# KiCad board Led_clock_sector.kicad_pcb (continued)
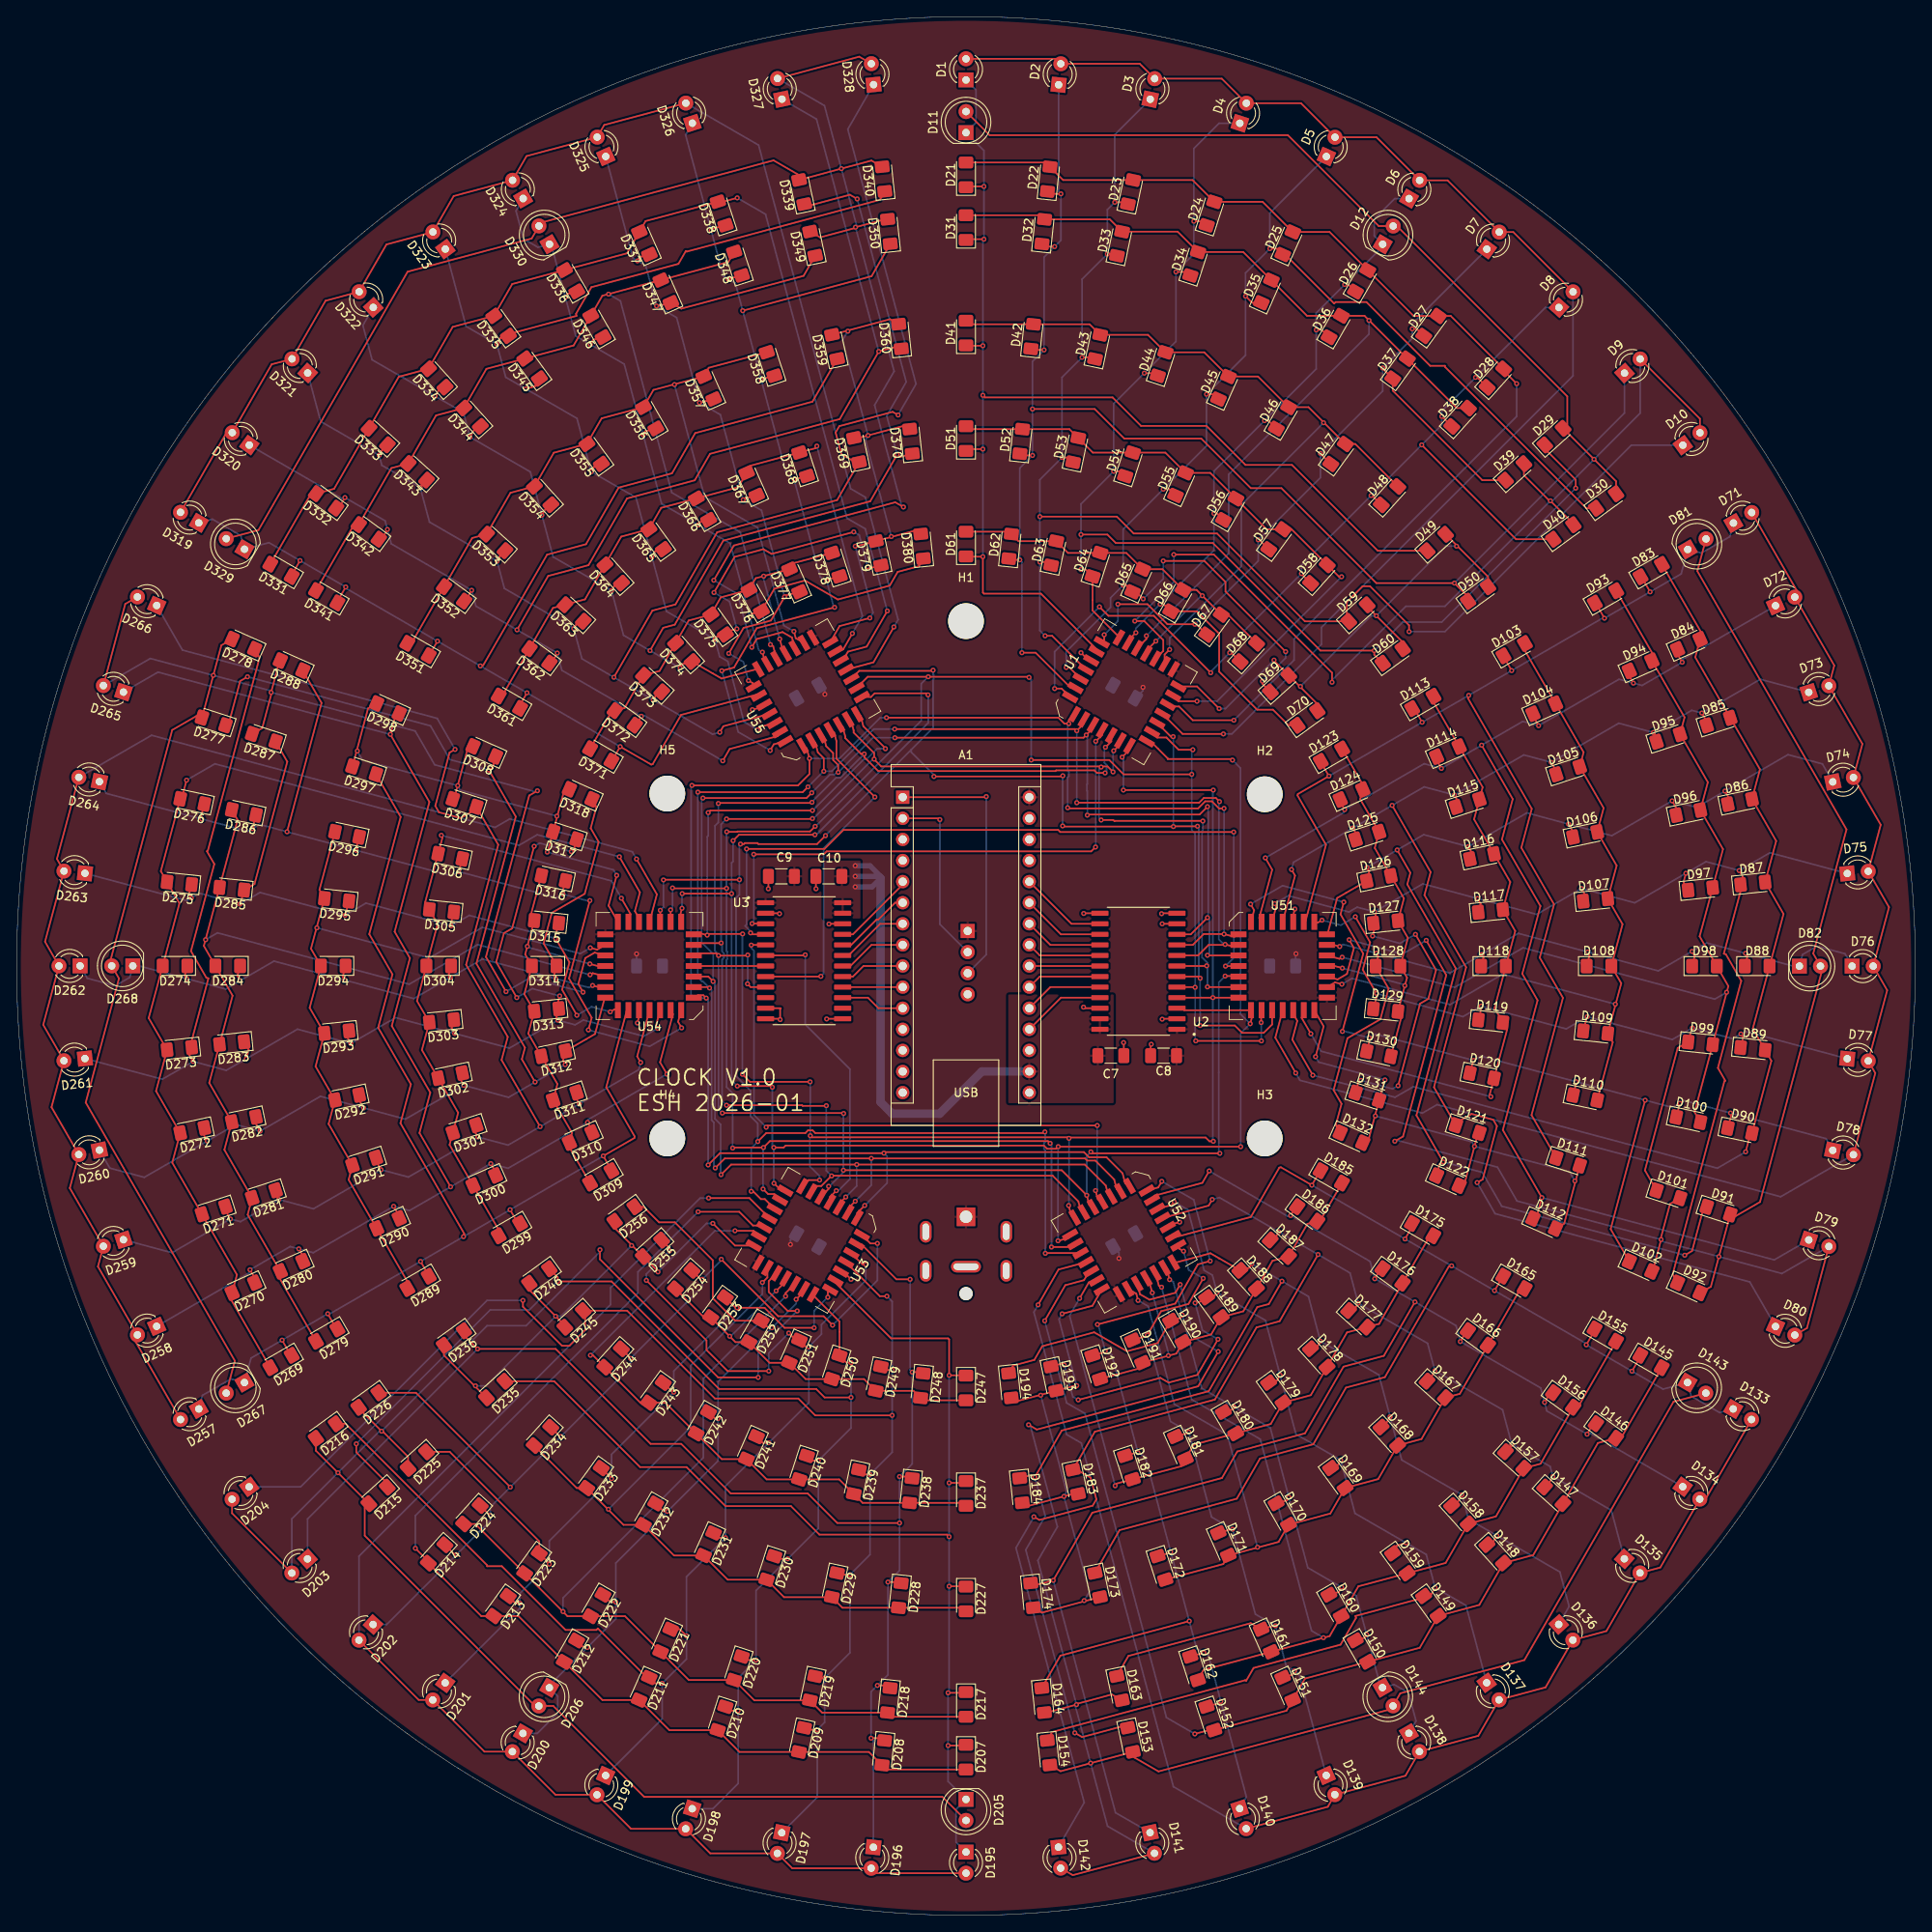
[diagram p0: board, top side]
## Placement (name value [footprint] x y rotation side) (continued)
D242  LED  [LED_1206_3216Metric_Pad1.42x1.75mm_HandSolder]  82.55 59.31 240 top
D243  LED  [LED_1206_3216Metric_Pad1.42x1.75mm_HandSolder]  76.98 62.93 234 top
D244  LED  [LED_1206_3216Metric_Pad1.42x1.75mm_HandSolder]  71.81 67.11 228 top
D245  LED  [LED_1206_3216Metric_Pad1.42x1.75mm_HandSolder]  67.11 71.81 222 top
D246  LED  [LED_1206_3216Metric_Pad1.42x1.75mm_HandSolder]  62.93 76.98 216 top
D247  LED  [LED_1206_3216Metric_Pad1.42x1.75mm_HandSolder]  114.3 63.5 270 top
D248  LED  [LED_1206_3216Metric_Pad1.42x1.75mm_HandSolder]  108.99 63.78 264 top
D249  LED  [LED_1206_3216Metric_Pad1.42x1.75mm_HandSolder]  103.74 64.61 258 top
D250  LED  [LED_1206_3216Metric_Pad1.42x1.75mm_HandSolder]  98.6 65.99 252 top
D251  LED  [LED_1206_3216Metric_Pad1.42x1.75mm_HandSolder]  93.64 67.89 246 top
D252  LED  [LED_1206_3216Metric_Pad1.42x1.75mm_HandSolder]  88.9 70.31 240 top
D253  LED  [LED_1206_3216Metric_Pad1.42x1.75mm_HandSolder]  84.44 73.2 234 top
D254  LED  [LED_1206_3216Metric_Pad1.42x1.75mm_HandSolder]  80.31 76.55 228 top
D255  LED  [LED_1206_3216Metric_Pad1.42x1.75mm_HandSolder]  76.55 80.31 222 top
D256  LED  [LED_1206_3216Metric_Pad1.42x1.75mm_HandSolder]  73.2 84.44 216 top
D257  LED  [LED_D3.0mm]  21.93 60.97 210 top
D258  LED  [LED_D3.0mm]  16.86 70.92 204 top
D259  LED  [LED_D3.0mm]  12.86 81.35 198 top
D260  LED  [LED_D3.0mm]  9.97 92.13 192 top
D261  LED  [LED_D3.0mm]  8.23 103.16 186 top
D262  LED  [LED_D3.0mm]  7.64 114.31 180 top
D263  LED  [LED_D3.0mm]  8.23 125.46 174 top
D264  LED  [LED_D3.0mm]  9.97 136.49 168 top
D265  LED  [LED_D3.0mm]  12.86 147.28 162 top
D266  LED  [LED_D3.0mm]  16.86 157.7 156 top
D267  LED  [LED_D5.0mm]  27.43 64.15 210 top
D268  LED  [LED_D5.0mm]  13.99 114.31 180 top
D269  LED  [LED_1206_3216Metric_Pad1.42x1.75mm_HandSolder]  31.83 66.69 210 top
D270  LED  [LED_1206_3216Metric_Pad1.42x1.75mm_HandSolder]  27.31 75.57 204 top
D271  LED  [LED_1206_3216Metric_Pad1.42x1.75mm_HandSolder]  23.73 84.88 198 top
D272  LED  [LED_1206_3216Metric_Pad1.42x1.75mm_HandSolder]  21.15 94.51 192 top
D273  LED  [LED_1206_3216Metric_Pad1.42x1.75mm_HandSolder]  19.59 104.36 186 top
D274  LED  [LED_1206_3216Metric_Pad1.42x1.75mm_HandSolder]  19.07 114.31 180 top
D275  LED  [LED_1206_3216Metric_Pad1.42x1.75mm_HandSolder]  19.59 124.27 174 top
D276  LED  [LED_1206_3216Metric_Pad1.42x1.75mm_HandSolder]  21.15 134.12 168 top
D277  LED  [LED_1206_3216Metric_Pad1.42x1.75mm_HandSolder]  23.73 143.75 162 top
D278  LED  [LED_1206_3216Metric_Pad1.42x1.75mm_HandSolder]  27.31 153.05 156 top
D279  LED  [LED_1206_3216Metric_Pad1.42x1.75mm_HandSolder]  37.33 69.86 210 top
D280  LED  [LED_1206_3216Metric_Pad1.42x1.75mm_HandSolder]  33.11 78.15 204 top
D281  LED  [LED_1206_3216Metric_Pad1.42x1.75mm_HandSolder]  29.77 86.84 198 top
D282  LED  [LED_1206_3216Metric_Pad1.42x1.75mm_HandSolder]  27.36 95.83 192 top
D283  LED  [LED_1206_3216Metric_Pad1.42x1.75mm_HandSolder]  25.91 105.02 186 top
D284  LED  [LED_1206_3216Metric_Pad1.42x1.75mm_HandSolder]  25.42 114.31 180 top
D285  LED  [LED_1206_3216Metric_Pad1.42x1.75mm_HandSolder]  25.91 123.6 174 top
D286  LED  [LED_1206_3216Metric_Pad1.42x1.75mm_HandSolder]  27.36 132.8 168 top
D287  LED  [LED_1206_3216Metric_Pad1.42x1.75mm_HandSolder]  29.77 141.78 162 top
D288  LED  [LED_1206_3216Metric_Pad1.42x1.75mm_HandSolder]  33.11 150.47 156 top
D289  LED  [LED_1206_3216Metric_Pad1.42x1.75mm_HandSolder]  48.33 76.21 210 top
D290  LED  [LED_1206_3216Metric_Pad1.42x1.75mm_HandSolder]  44.71 83.32 204 top
D291  LED  [LED_1206_3216Metric_Pad1.42x1.75mm_HandSolder]  41.85 90.77 198 top
D292  LED  [LED_1206_3216Metric_Pad1.42x1.75mm_HandSolder]  39.79 98.47 192 top
D293  LED  [LED_1206_3216Metric_Pad1.42x1.75mm_HandSolder]  38.54 106.35 186 top
D294  LED  [LED_1206_3216Metric_Pad1.42x1.75mm_HandSolder]  38.12 114.31 180 top
D295  LED  [LED_1206_3216Metric_Pad1.42x1.75mm_HandSolder]  38.54 122.28 174 top
D296  LED  [LED_1206_3216Metric_Pad1.42x1.75mm_HandSolder]  39.79 130.16 168 top
D297  LED  [LED_1206_3216Metric_Pad1.42x1.75mm_HandSolder]  41.85 137.86 162 top
D298  LED  [LED_1206_3216Metric_Pad1.42x1.75mm_HandSolder]  44.71 145.31 156 top
D299  LED  [LED_1206_3216Metric_Pad1.42x1.75mm_HandSolder]  59.33 82.56 210 top
D300  LED  [LED_1206_3216Metric_Pad1.42x1.75mm_HandSolder]  56.31 88.48 204 top
D301  LED  [LED_1206_3216Metric_Pad1.42x1.75mm_HandSolder]  53.93 94.69 198 top
D302  LED  [LED_1206_3216Metric_Pad1.42x1.75mm_HandSolder]  52.21 101.11 192 top
D303  LED  [LED_1206_3216Metric_Pad1.42x1.75mm_HandSolder]  51.17 107.67 186 top
D304  LED  [LED_1206_3216Metric_Pad1.42x1.75mm_HandSolder]  50.82 114.31 180 top
D305  LED  [LED_1206_3216Metric_Pad1.42x1.75mm_HandSolder]  51.17 120.95 174 top
D306  LED  [LED_1206_3216Metric_Pad1.42x1.75mm_HandSolder]  52.21 127.51 168 top
D307  LED  [LED_1206_3216Metric_Pad1.42x1.75mm_HandSolder]  53.93 133.93 162 top
D308  LED  [LED_1206_3216Metric_Pad1.42x1.75mm_HandSolder]  56.31 140.14 156 top
D309  LED  [LED_1206_3216Metric_Pad1.42x1.75mm_HandSolder]  70.33 88.91 210 top
D310  LED  [LED_1206_3216Metric_Pad1.42x1.75mm_HandSolder]  67.91 93.65 204 top
D311  LED  [LED_1206_3216Metric_Pad1.42x1.75mm_HandSolder]  66.01 98.61 198 top
D312  LED  [LED_1206_3216Metric_Pad1.42x1.75mm_HandSolder]  64.63 103.75 192 top
D313  LED  [LED_1206_3216Metric_Pad1.42x1.75mm_HandSolder]  63.8 109 186 top
D314  LED  [LED_1206_3216Metric_Pad1.42x1.75mm_HandSolder]  63.52 114.31 180 top
D315  LED  [LED_1206_3216Metric_Pad1.42x1.75mm_HandSolder]  63.8 119.62 174 top
D316  LED  [LED_1206_3216Metric_Pad1.42x1.75mm_HandSolder]  64.63 124.87 168 top
D317  LED  [LED_1206_3216Metric_Pad1.42x1.75mm_HandSolder]  66.01 130.01 162 top
D318  LED  [LED_1206_3216Metric_Pad1.42x1.75mm_HandSolder]  67.91 134.97 156 top
D319  LED  [LED_D3.0mm]  21.93 167.65 150 top
D320  LED  [LED_D3.0mm]  28.02 177.02 144 top
D321  LED  [LED_D3.0mm]  35.04 185.7 138 top
D322  LED  [LED_D3.0mm]  42.94 193.59 132 top
D323  LED  [LED_D3.0mm]  51.62 200.62 126 top
D324  LED  [LED_D3.0mm]  60.98 206.7 120 top
D325  LED  [LED_D3.0mm]  70.93 211.77 114 top
D326  LED  [LED_D3.0mm]  81.36 215.77 108 top
D327  LED  [LED_D3.0mm]  92.14 218.66 102 top
D328  LED  [LED_D3.0mm]  103.17 220.41 96 top
D329  LED  [LED_D5.0mm]  27.43 164.48 150 top
D330  LED  [LED_D5.0mm]  64.16 201.2 120 top
D331  LED  [LED_1206_3216Metric_Pad1.42x1.75mm_HandSolder]  31.83 161.94 150 top
D332  LED  [LED_1206_3216Metric_Pad1.42x1.75mm_HandSolder]  37.26 170.3 144 top
D333  LED  [LED_1206_3216Metric_Pad1.42x1.75mm_HandSolder]  43.54 178.05 138 top
D334  LED  [LED_1206_3216Metric_Pad1.42x1.75mm_HandSolder]  50.59 185.1 132 top
D335  LED  [LED_1206_3216Metric_Pad1.42x1.75mm_HandSolder]  58.33 191.37 126 top
D336  LED  [LED_1206_3216Metric_Pad1.42x1.75mm_HandSolder]  66.7 196.8 120 top
D337  LED  [LED_1206_3216Metric_Pad1.42x1.75mm_HandSolder]  75.58 201.33 114 top
D338  LED  [LED_1206_3216Metric_Pad1.42x1.75mm_HandSolder]  84.89 204.9 108 top
D339  LED  [LED_1206_3216Metric_Pad1.42x1.75mm_HandSolder]  94.52 207.48 102 top
D340  LED  [LED_1206_3216Metric_Pad1.42x1.75mm_HandSolder]  104.36 209.04 96 top
D341  LED  [LED_1206_3216Metric_Pad1.42x1.75mm_HandSolder]  37.33 158.76 150 top
D342  LED  [LED_1206_3216Metric_Pad1.42x1.75mm_HandSolder]  42.4 166.57 144 top
D343  LED  [LED_1206_3216Metric_Pad1.42x1.75mm_HandSolder]  48.26 173.8 138 top
D344  LED  [LED_1206_3216Metric_Pad1.42x1.75mm_HandSolder]  54.84 180.38 132 top
D345  LED  [LED_1206_3216Metric_Pad1.42x1.75mm_HandSolder]  62.07 186.23 126 top
D346  LED  [LED_1206_3216Metric_Pad1.42x1.75mm_HandSolder]  69.87 191.3 120 top
D347  LED  [LED_1206_3216Metric_Pad1.42x1.75mm_HandSolder]  78.16 195.53 114 top
D348  LED  [LED_1206_3216Metric_Pad1.42x1.75mm_HandSolder]  86.85 198.86 108 top
D349  LED  [LED_1206_3216Metric_Pad1.42x1.75mm_HandSolder]  95.84 201.27 102 top
D350  LED  [LED_1206_3216Metric_Pad1.42x1.75mm_HandSolder]  105.03 202.73 96 top
D351  LED  [LED_1206_3216Metric_Pad1.42x1.75mm_HandSolder]  48.33 152.41 150 top
D352  LED  [LED_1206_3216Metric_Pad1.42x1.75mm_HandSolder]  52.67 159.1 144 top
D353  LED  [LED_1206_3216Metric_Pad1.42x1.75mm_HandSolder]  57.69 165.3 138 top
D354  LED  [LED_1206_3216Metric_Pad1.42x1.75mm_HandSolder]  63.33 170.94 132 top
D355  LED  [LED_1206_3216Metric_Pad1.42x1.75mm_HandSolder]  69.53 175.96 126 top
D356  LED  [LED_1206_3216Metric_Pad1.42x1.75mm_HandSolder]  76.22 180.3 120 top
D357  LED  [LED_1206_3216Metric_Pad1.42x1.75mm_HandSolder]  83.33 183.92 114 top
D358  LED  [LED_1206_3216Metric_Pad1.42x1.75mm_HandSolder]  90.77 186.78 108 top
D359  LED  [LED_1206_3216Metric_Pad1.42x1.75mm_HandSolder]  98.48 188.85 102 top
D360  LED  [LED_1206_3216Metric_Pad1.42x1.75mm_HandSolder]  106.36 190.09 96 top
D361  LED  [LED_1206_3216Metric_Pad1.42x1.75mm_HandSolder]  59.33 146.06 150 top
D362  LED  [LED_1206_3216Metric_Pad1.42x1.75mm_HandSolder]  62.95 151.64 144 top
D363  LED  [LED_1206_3216Metric_Pad1.42x1.75mm_HandSolder]  67.13 156.8 138 top
D364  LED  [LED_1206_3216Metric_Pad1.42x1.75mm_HandSolder]  71.83 161.5 132 top
D365  LED  [LED_1206_3216Metric_Pad1.42x1.75mm_HandSolder]  77 165.68 126 top
D366  LED  [LED_1206_3216Metric_Pad1.42x1.75mm_HandSolder]  82.57 169.3 120 top
D367  LED  [LED_1206_3216Metric_Pad1.42x1.75mm_HandSolder]  88.49 172.32 114 top
D368  LED  [LED_1206_3216Metric_Pad1.42x1.75mm_HandSolder]  94.7 174.7 108 top
D369  LED  [LED_1206_3216Metric_Pad1.42x1.75mm_HandSolder]  101.12 176.42 102 top
D370  LED  [LED_1206_3216Metric_Pad1.42x1.75mm_HandSolder]  107.68 177.46 96 top
D371  LED  [LED_1206_3216Metric_Pad1.42x1.75mm_HandSolder]  70.33 139.71 150 top
D372  LED  [LED_1206_3216Metric_Pad1.42x1.75mm_HandSolder]  73.22 144.17 144 top
D373  LED  [LED_1206_3216Metric_Pad1.42x1.75mm_HandSolder]  76.57 148.3 138 top
D374  LED  [LED_1206_3216Metric_Pad1.42x1.75mm_HandSolder]  80.33 152.06 132 top
D375  LED  [LED_1206_3216Metric_Pad1.42x1.75mm_HandSolder]  84.46 155.41 126 top
D376  LED  [LED_1206_3216Metric_Pad1.42x1.75mm_HandSolder]  88.92 158.31 120 top
D377  LED  [LED_1206_3216Metric_Pad1.42x1.75mm_HandSolder]  93.66 160.72 114 top
D378  LED  [LED_1206_3216Metric_Pad1.42x1.75mm_HandSolder]  98.62 162.63 108 top
D379  LED  [LED_1206_3216Metric_Pad1.42x1.75mm_HandSolder]  103.76 164 102 top
D380  LED  [LED_1206_3216Metric_Pad1.42x1.75mm_HandSolder]  109.01 164.83 96 top
H1  MountingHole  [MountingHole_4.3mm_M4]  114.3 155.82 0 top
H2  MountingHole  [MountingHole_4.3mm_M4]  150.27 134.98 0 top
H3  MountingHole  [MountingHole_4.3mm_M4]  150.26 93.54 0 top
H4  MountingHole  [MountingHole_4.3mm_M4]  78.34 93.54 0 top
H5  MountingHole  [MountingHole_4.3mm_M4]  78.34 135.06 0 top
J1  Conn_01x04  [PinHeader_1x04_P2.54mm_Vertical]  114.5 118.52 180 bottom
J2  PJ-082BH  [SAMESKY_PJ-082BH]  114.3 74.86 180 bottom
U1  ICM7218A  [PLCC-28]  133.35 147.32 60 top
U2  SN74LVC4245ADWR  [SOIC127P1030X265-24N]  135.06 113.67 180 top
U3  SN74LVC4245ADWR  [SOIC127P1030X265-24N]  94.81 114.94 0 top
U51  ICM7218A  [PLCC-28]  152.43 114.3 0 top
U52  ICM7218A  [PLCC-28]  133.35 81.31 300 top
U53  ICM7218A  [PLCC-28]  95.25 81.28 240 top
U54  ICM7218A  [PLCC-28]  76.2 114.3 180 top
U55  ICM7218A  [PLCC-28]  95.25 147.32 120 top

## Library data of the parts
A1 = -: Datasheet: https://docs.arduino.cc/resources/datasheets/ABX00083-datasheet.pdf; Description: Arduino Nano board based on the ESP32-S3 with a dual-core 240 MHz processor, 384 kB ROM, 512 kB SRAM. Operates at 3.3V, with 5V USB-C® input and 6-21V VIN. Features Wi-Fi®, Bluetooth® LE, digital and analog pins, and supports SPI, I2C, UART, I2S, and CAN.; ki_fp_filters: Arduino*Nano*
C1-C10 = -: Description: Unpolarized capacitor; ki_fp_filters: C_*
D1-D12 D21-D380 = -: Description: Light emitting diode; Sim.Pins: 1=K 2=A; ki_fp_filters: LED* LED_SMD:* LED_THT:*
H1-H5 = -: Description: Mounting Hole without connection; ki_fp_filters: MountingHole*
J1 = -: Description: Generic connector, single row, 01x04, script generated (kicad-library-utils/schlib/autogen/connector/); ki_fp_filters: Connector*:*_1x??_*
J2 = -: PARTREV: 1.06; STANDARD: Manufacturer Recommendations; MAXIMUM_PACKAGE_HEIGHT: 10.5mm; MANUFACTURER: Same Sky
U1 U51-U55 = -: Datasheet: https://datasheets.maximintegrated.com/en/ds/ICM7218-ICM7228.pdf; DigiKey: ICM7218AIQI+-ND

## Footprints (pads in the part's own frame, mm; a bottom-side part is the same pattern mirrored in y, then rotated)
Arduino_Nano
  rect 1.6x1.6 hole 1: 1(0,0)
  oval 1.6x1.6 hole 1: 2(0,-2.54) 3(0,-5.08) 4(0,-7.62) 5(0,-10.16) 6(0,-12.7) 7(0,-15.24) 8(0,-17.78) 9(0,-20.32) 10(0,-22.86) 11(0,-25.4) 12(0,-27.94) 13(0,-30.48) 14(0,-33.02) 15(0,-35.56) 16(15.24,-35.56) 17(15.24,-33.02) 18(15.24,-30.48) 19(15.24,-27.94) 20(15.24,-25.4) 21(15.24,-22.86) 22(15.24,-20.32) 23(15.24,-17.78) 24(15.24,-15.24) 25(15.24,-12.7) 26(15.24,-10.16) 27(15.24,-7.62) 28(15.24,-5.08) 29(15.24,-2.54) 30(15.24,0)
C_1206_3216Metric_Pad1.33x1.80mm_HandSolder
  rrect 1.325x1.8 smd: 1(-1.562,0) 2(1.562,0)
LED_1206_3216Metric_Pad1.42x1.75mm_HandSolder
  rrect 1.425x1.75 smd: 1(-1.488,0) 2(1.488,0)
LED_D3.0mm
  rect 1.8x1.8 hole 0.9: 1(0,0)
  round 1.8 hole 0.9: 2(2.54,0)
LED_D5.0mm
  rect 1.8x1.8 hole 0.9: 1(0,0)
  round 1.8 hole 0.9: 2(2.54,0)
MountingHole_4.3mm_M4
  round 4.3 hole 4.3 unplated: (0,0)
PinHeader_1x04_P2.54mm_Vertical
  rect 1.7x1.7 hole 1: 1(0,0)
  round 1.7 hole 1: 2(0,-2.54) 3(0,-5.08) 4(0,-7.62)
PLCC-28
  rect 0.7x1.925 smd: 1(0,5.322) 2(-1.27,5.322) 3(-2.54,5.322) 4(-3.81,5.322) 12(-3.81,-5.322) 13(-2.54,-5.322) 14(-1.27,-5.322) 15(0,-5.322) 16(1.27,-5.322) 17(2.54,-5.322) 18(3.81,-5.322) 26(3.81,5.322) 27(2.54,5.322) 28(1.27,5.322)
  rect 1.925x0.7 smd: 5(-5.322,3.81) 6(-5.322,2.54) 7(-5.322,1.27) 8(-5.322,0) 9(-5.322,-1.27) 10(-5.322,-2.54) 11(-5.322,-3.81) 19(5.322,-3.81) 20(5.322,-2.54) 21(5.322,-1.27) 22(5.322,0) 23(5.322,1.27) 24(5.322,2.54) 25(5.322,3.81)
SAMESKY_PJ-082BH
  round 1.6 hole 1.6 unplated: (0,0)
  rect 2.25x2.25 hole 1.5: 1(0,9.25)
  oval 3.6x1.4 hole 3x0.8: 2(0,3.25)
  oval 1.4x2.6 hole 0.8x2: SH1(-4.85,2.75) SH2(4.85,2.75) SH3(-4.85,7.45) SH4(4.85,7.45)
SOIC127P1030X265-24N
  rrect 2.06x0.6 smd: 1(-4.64,6.985) 2(-4.64,5.715) 3(-4.64,4.445) 4(-4.64,3.175) 5(-4.64,1.905) 6(-4.64,0.635) 7(-4.64,-0.635) 8(-4.64,-1.905) 9(-4.64,-3.175) 10(-4.64,-4.445) 11(-4.64,-5.715) 12(-4.64,-6.985) 13(4.64,-6.985) 14(4.64,-5.715) 15(4.64,-4.445) 16(4.64,-3.175) 17(4.64,-1.905) 18(4.64,-0.635) 19(4.64,0.635) 20(4.64,1.905) 21(4.64,3.175) 22(4.64,4.445) 23(4.64,5.715) 24(4.64,6.985)

## Nets
+3.3V: A1.17 C7.1 C10.1 U2.23 U2.24 U3.23 U3.24
+5V: A1.30 C1.1 C2.1 C3.1 C4.1 C5.1 C6.1 C8.1 C9.1 J1.1 J2.1 U1.19 U2.1 U3.1 U51.19 U52.19 U53.19 U54.19 U55.19
GND: A1.4 A1.29 C1.2 C2.2 C3.2 C4.2 C5.2 C6.2 C7.2 C8.2 C9.2 C10.2 J1.4 J2.2 J2.SH1 J2.SH2 J2.SH3 J2.SH4 U1.28 U2.2 U2.11 U2.12 U2.13 U2.22 U3.2 U3.11 U3.12 U3.13 U3.22 U51.28 U52.28 U53.28 U54.28 U55.28
/D0: U1.12 U2.3 U51.12 U52.12 U53.12 U54.12 U55.12
/D1: U1.11 U2.4 U51.11 U52.11 U53.11 U54.11 U55.11
/D2: U1.13 U2.5 U51.13 U52.13 U53.13 U54.13 U55.13
/D3: U1.14 U2.6 U51.14 U52.14 U53.14 U54.14 U55.14
/D4: U1.10 U2.7 U51.10 U52.10 U53.10 U54.10 U55.10
/D5: U1.6 U2.8 U51.6 U52.6 U53.6 U54.6 U55.6
/D6: U1.5 U2.9 U51.5 U52.5 U53.5 U54.5 U55.5
/D7: U1.7 U2.10 U51.7 U52.7 U53.7 U54.7 U55.7
/ED0: A1.19 U2.21
/ED1: A1.20 U2.20
/ED2: A1.21 U2.19
/ED3: A1.22 U2.18
/ED4: A1.23 U2.17
/ED5: A1.24 U2.16
/ED6: A1.25 U2.15
/ED7: A1.26 U2.14
/EMODE: A1.11 U3.15
/MODE: U1.9 U3.9 U51.9 U52.9 U53.9 U54.9 U55.9
/Sector1/dp: D8.1 D28.1 D38.1 D40.1 D48.1 D58.1 D68.1 U1.4
/Sector1/LD1: D1.2 D2.2 D3.2 D4.2 D5.2 D6.2 D7.2 D8.2 U1.15
/Sector1/LD2: D21.2 D22.2 D23.2 D24.2 D25.2 D26.2 D27.2 D28.2 U1.16
/Sector1/LD3: D31.2 D32.2 D33.2 D34.2 D35.2 D36.2 D37.2 D38.2 U1.23
/Sector1/LD4: D41.2 D42.2 D43.2 D44.2 D45.2 D46.2 D47.2 D48.2 U1.20
/Sector1/LD5: D51.2 D52.2 D53.2 D54.2 D55.2 D56.2 D57.2 D58.2 U1.17
/Sector1/LD6: D61.2 D62.2 D63.2 D64.2 D65.2 D66.2 D67.2 D68.2 U1.22
/Sector1/LD7: D9.2 D10.2 D11.2 D12.2 D29.2 D30.2 D39.2 D40.2 U1.21
/Sector1/LD8: D49.2 D50.2 D59.2 D60.2 D69.2 D70.2 U1.18
/Sector1/Sa: D1.1 D11.1 D21.1 D31.1 D41.1 D49.1 D51.1 D61.1 U1.27
/Sector1/Sb: D2.1 D9.1 D22.1 D32.1 D42.1 D50.1 D52.1 D62.1 U1.3
/Sector1/Sc: D3.1 D10.1 D23.1 D33.1 D43.1 D53.1 D59.1 D63.1 U1.1
/Sector1/Sd: D4.1 D24.1 D29.1 D34.1 D44.1 D54.1 D60.1 D64.1 U1.25
/Sector1/Se: D5.1 D25.1 D30.1 D35.1 D45.1 D55.1 D65.1 D69.1 U1.2
/Sector1/Sf: D6.1 D12.1 D26.1 D36.1 D46.1 D56.1 D66.1 D70.1 U1.24
/Sector1/Sg: D7.1 D27.1 D37.1 D39.1 D47.1 D57.1 D67.1 U1.26
/Sector2/dp: D78.1 D90.1 D100.1 D102.1 D110.1 D120.1 D130.1 U51.4
/Sector2/LD1: D71.2 D72.2 D73.2 D74.2 D75.2 D76.2 D77.2 D78.2 U51.15
/Sector2/LD2: D83.2 D84.2 D85.2 D86.2 D87.2 D88.2 D89.2 D90.2 U51.16
/Sector2/LD3: D93.2 D94.2 D95.2 D96.2 D97.2 D98.2 D99.2 D100.2 U51.23
/Sector2/LD4: D103.2 D104.2 D105.2 D106.2 D107.2 D108.2 D109.2 D110.2 U51.20
/Sector2/LD5: D113.2 D114.2 D115.2 D116.2 D117.2 D118.2 D119.2 D120.2 U51.17
/Sector2/LD6: D123.2 D124.2 D125.2 D126.2 D127.2 D128.2 D129.2 D130.2 U51.22
/Sector2/LD7: D79.2 D80.2 D81.2 D82.2 D91.2 D92.2 D101.2 D102.2 U51.21
/Sector2/LD8: D111.2 D112.2 D121.2 D122.2 D131.2 D132.2 U51.18
/Sector2/Sa: D71.1 D81.1 D83.1 D93.1 D103.1 D111.1 D113.1 D123.1 U51.27
/Sector2/Sb: D72.1 D79.1 D84.1 D94.1 D104.1 D112.1 D114.1 D124.1 U51.3
/Sector2/Sc: D73.1 D80.1 D85.1 D95.1 D105.1 D115.1 D121.1 D125.1 U51.1
/Sector2/Sd: D74.1 D86.1 D91.1 D96.1 D106.1 D116.1 D122.1 D126.1 U51.25
/Sector2/Se: D75.1 D87.1 D92.1 D97.1 D107.1 D117.1 D127.1 D131.1 U51.2
/Sector2/Sf: D76.1 D82.1 D88.1 D98.1 D108.1 D118.1 D128.1 D132.1 U51.24
/Sector2/Sg: D77.1 D89.1 D99.1 D101.1 D109.1 D119.1 D129.1 U51.26
/Sector3/dp: D140.1 D152.1 D162.1 D164.1 D172.1 D182.1 D192.1 U52.4
/Sector3/LD1: D133.2 D134.2 D135.2 D136.2 D137.2 D138.2 D139.2 D140.2 U52.15
/Sector3/LD2: D145.2 D146.2 D147.2 D148.2 D149.2 D150.2 D151.2 D152.2 U52.16
/Sector3/LD3: D155.2 D156.2 D157.2 D158.2 D159.2 D160.2 D161.2 D162.2 U52.23
/Sector3/LD4: D165.2 D166.2 D167.2 D168.2 D169.2 D170.2 D171.2 D172.2 U52.20
/Sector3/LD5: D175.2 D176.2 D177.2 D178.2 D179.2 D180.2 D181.2 D182.2 U52.17
/Sector3/LD6: D185.2 D186.2 D187.2 D188.2 D189.2 D190.2 D191.2 D192.2 U52.22
/Sector3/LD7: D141.2 D142.2 D143.2 D144.2 D153.2 D154.2 D163.2 D164.2 U52.21
/Sector3/LD8: D173.2 D174.2 D183.2 D184.2 D193.2 D194.2 U52.18
/Sector3/Sa: D133.1 D143.1 D145.1 D155.1 D165.1 D173.1 D175.1 D185.1 U52.27
/Sector3/Sb: D134.1 D141.1 D146.1 D156.1 D166.1 D174.1 D176.1 D186.1 U52.3
/Sector3/Sc: D135.1 D142.1 D147.1 D157.1 D167.1 D177.1 D183.1 D187.1 U52.1
/Sector3/Sd: D136.1 D148.1 D153.1 D158.1 D168.1 D178.1 D184.1 D188.1 U52.25
/Sector3/Se: D137.1 D149.1 D154.1 D159.1 D169.1 D179.1 D189.1 D193.1 U52.2
/Sector3/Sf: D138.1 D144.1 D150.1 D160.1 D170.1 D180.1 D190.1 D194.1 U52.24
/Sector3/Sg: D139.1 D151.1 D161.1 D163.1 D171.1 D181.1 D191.1 U52.26
/Sector4/dp: D202.1 D214.1 D224.1 D226.1 D234.1 D244.1 D254.1 U53.4
/Sector4/LD1: D195.2 D196.2 D197.2 D198.2 D199.2 D200.2 D201.2 D202.2 U53.15
/Sector4/LD2: D207.2 D208.2 D209.2 D210.2 D211.2 D212.2 D213.2 D214.2 U53.16
/Sector4/LD3: D217.2 D218.2 D219.2 D220.2 D221.2 D222.2 D223.2 D224.2 U53.23
/Sector4/LD4: D227.2 D228.2 D229.2 D230.2 D231.2 D232.2 D233.2 D234.2 U53.20
/Sector4/LD5: D237.2 D238.2 D239.2 D240.2 D241.2 D242.2 D243.2 D244.2 U53.17
/Sector4/LD6: D247.2 D248.2 D249.2 D250.2 D251.2 D252.2 D253.2 D254.2 U53.22
/Sector4/LD7: D203.2 D204.2 D205.2 D206.2 D215.2 D216.2 D225.2 D226.2 U53.21
/Sector4/LD8: D235.2 D236.2 D245.2 D246.2 D255.2 D256.2 U53.18
/Sector4/Sa: D195.1 D205.1 D207.1 D217.1 D227.1 D235.1 D237.1 D247.1 U53.27
/Sector4/Sb: D196.1 D203.1 D208.1 D218.1 D228.1 D236.1 D238.1 D248.1 U53.3
/Sector4/Sc: D197.1 D204.1 D209.1 D219.1 D229.1 D239.1 D245.1 D249.1 U53.1
/Sector4/Sd: D198.1 D210.1 D215.1 D220.1 D230.1 D240.1 D246.1 D250.1 U53.25
/Sector4/Se: D199.1 D211.1 D216.1 D221.1 D231.1 D241.1 D251.1 D255.1 U53.2
/Sector4/Sf: D200.1 D206.1 D212.1 D222.1 D232.1 D242.1 D252.1 D256.1 U53.24
/Sector4/Sg: D201.1 D213.1 D223.1 D225.1 D233.1 D243.1 D253.1 U53.26
/Sector5/dp: D264.1 D276.1 D286.1 D288.1 D296.1 D306.1 D316.1 U54.4
/Sector5/LD1: D257.2 D258.2 D259.2 D260.2 D261.2 D262.2 D263.2 D264.2 U54.15
/Sector5/LD2: D269.2 D270.2 D271.2 D272.2 D273.2 D274.2 D275.2 D276.2 U54.16
/Sector5/LD3: D279.2 D280.2 D281.2 D282.2 D283.2 D284.2 D285.2 D286.2 U54.23
/Sector5/LD4: D289.2 D290.2 D291.2 D292.2 D293.2 D294.2 D295.2 D296.2 U54.20
/Sector5/LD5: D299.2 D300.2 D301.2 D302.2 D303.2 D304.2 D305.2 D306.2 U54.17
/Sector5/LD6: D309.2 D310.2 D311.2 D312.2 D313.2 D314.2 D315.2 D316.2 U54.22
/Sector5/LD7: D265.2 D266.2 D267.2 D268.2 D277.2 D278.2 D287.2 D288.2 U54.21
/Sector5/LD8: D297.2 D298.2 D307.2 D308.2 D317.2 D318.2 U54.18
/Sector5/Sa: D257.1 D267.1 D269.1 D279.1 D289.1 D297.1 D299.1 D309.1 U54.27
/Sector5/Sb: D258.1 D265.1 D270.1 D280.1 D290.1 D298.1 D300.1 D310.1 U54.3
/Sector5/Sc: D259.1 D266.1 D271.1 D281.1 D291.1 D301.1 D307.1 D311.1 U54.1
/Sector5/Sd: D260.1 D272.1 D277.1 D282.1 D292.1 D302.1 D308.1 D312.1 U54.25
/Sector5/Se: D261.1 D273.1 D278.1 D283.1 D293.1 D303.1 D313.1 D317.1 U54.2
/Sector5/Sf: D262.1 D268.1 D274.1 D284.1 D294.1 D304.1 D314.1 D318.1 U54.24
/Sector5/Sg: D263.1 D275.1 D285.1 D287.1 D295.1 D305.1 D315.1 U54.26
/Sector6/dp: D326.1 D338.1 D348.1 D350.1 D358.1 D368.1 D378.1 U55.4
/Sector6/LD1: D319.2 D320.2 D321.2 D322.2 D323.2 D324.2 D325.2 D326.2 U55.15
/Sector6/LD2: D331.2 D332.2 D333.2 D334.2 D335.2 D336.2 D337.2 D338.2 U55.16
/Sector6/LD3: D341.2 D342.2 D343.2 D344.2 D345.2 D346.2 D347.2 D348.2 U55.23
/Sector6/LD4: D351.2 D352.2 D353.2 D354.2 D355.2 D356.2 D357.2 D358.2 U55.20
/Sector6/LD5: D361.2 D362.2 D363.2 D364.2 D365.2 D366.2 D367.2 D368.2 U55.17
/Sector6/LD6: D371.2 D372.2 D373.2 D374.2 D375.2 D376.2 D377.2 D378.2 U55.22
/Sector6/LD7: D327.2 D328.2 D329.2 D330.2 D339.2 D340.2 D349.2 D350.2 U55.21
/Sector6/LD8: D359.2 D360.2 D369.2 D370.2 D379.2 D380.2 U55.18
/Sector6/Sa: D319.1 D329.1 D331.1 D341.1 D351.1 D359.1 D361.1 D371.1 U55.27
/Sector6/Sb: D320.1 D327.1 D332.1 D342.1 D352.1 D360.1 D362.1 D372.1 U55.3
/Sector6/Sc: D321.1 D328.1 D333.1 D343.1 D353.1 D363.1 D369.1 D373.1 U55.1
/Sector6/Sd: D322.1 D334.1 D339.1 D344.1 D354.1 D364.1 D370.1 D374.1 U55.25
/Sector6/Se: D323.1 D335.1 D340.1 D345.1 D355.1 D365.1 D375.1 D379.1 U55.2
/Sector6/Sf: D324.1 D330.1 D336.1 D346.1 D356.1 D366.1 D376.1 D380.1 U55.24
/Sector6/Sg: D325.1 D337.1 D347.1 D349.1 D357.1 D367.1 D377.1 U55.26
/~{EWR0}: A1.5 U3.21
/~{EWR1}: A1.6 U3.20
/~{EWR2}: A1.7 U3.19
/~{EWR3}: A1.8 U3.18
/~{EWR4}: A1.9 U3.17
/~{EWR5}: A1.10 U3.16
/~{WR0}: U1.8 U3.3
/~{WR1}: U3.4 U51.8
/~{WR2}: U3.5 U52.8
/~{WR3}: U3.6 U53.8
/~{WR4}: U3.7 U54.8
/~{WR5}: U3.8 U55.8
Net-(A1-D0/RX): A1.2 J1.2
Net-(A1-D1/TX): A1.1 J1.3

Pads without a net: A1 3 12 13 14 15 16 18 27 28; U3 10 14

## Via types
v1: diameter 0.6, hole 0.3, Top to Bottom, 678 vias

## Routing (per net, layer and track width the routed paths; a pad name or vN(x,y) marks a point on that pad's centre or on a via; arc(x,y) is an arc through that point)
+3.3V: length 58.3
  Bottom w0.635: 104.14,124.97 102.74,126.37 v1(100.97,126.37) ; 104.14,124.97 104.01,124.84 ; 104.14,124.97 104.01,125.1 v1(100.97,125.1) ; 104.14,124.97 103,123.83 v1(100.97,123.83)
  Bottom w1.016: 104.01,124.84 104.01,97.92 105.41,96.52 111.13,96.52 116.21,101.6 A1.17
+5V: length 9.4
  Bottom w0.2: C4.1 v1(74.64,115.76) 74.65,115.77 ; C2.1 135.61,147.45 v1(135.61,147.85) ; C1.1 97.31,147.4 v1(97.31,147.02) ; v1(93.17,80.77) 93.17,81.33 C3.1 ; v1(132.72,79.1) 132.72,79.81 C5.1 ; v1(154.03,115.77) 153.99,115.74 C6.1
GND: length 35.5
  Top w0.2: U3.13 97.55,107.95 v1(97.53,107.93) ; U3.2 91.8,120.65 v1(91.85,120.6) ; v1(96.24,123.6) 96.23,123.61 C10.2 ; v1(137.92,107.9) 137.97,107.95 U2.2 ; v1(128.47,120.62) 128.5,120.65 U2.13 ; C8.2 136.53,104.8 v1(136.6,104.88) ; U3.12 91.83,107.95 v1(91.93,107.85) 91.93,109.12 92,109.2 91.98,109.22 U3.11 ; v1(128.45,109.35) 128.57,109.22 U2.22 ; C9.2 90.51,123.61 v1(90.5,123.6) ; U3.22 97.83,119.38 v1(97.81,119.35) ; U2.12 137.9,120.65 v1(137.85,120.6) ; v1(153.89,121.16) 153.55,119.88 U51.28 ; U52.28 138.74,83.12 v1(140.02,83.47) ; U2.11 v1(137.92,119.38) ; U53.28 99.52,77.52 v1(100.46,76.58) ; v1(74.73,107.44) 75.08,108.72 U54.28 ; v1(133.27,105.08) 133.3,105.05 C7.2 ; U1.28 129.08,151.08 v1(128.14,152.02) ; U55.28 89.86,145.5 v1(88.58,145.16)
/D0: length 237.6
  Top w0.2: v1(148.52,107.35) 148.85,108.58 U51.12 140.58,108.98 140.34,109.22 U2.3 ; v1(80.11,121.25) 79.78,120.02 U54.12 ; v1(86.77,99.85) 90.91,99.85 90.98,99.77 v1(90.98,99.71) ; v1(109.73,146.94) 109.54,147.13 103.31,147.13 102.86,146.68 U55.12 ; U53.12 92.08,87.24 v1(91.19,88.14) ; v1(146.38,139.09) 146.25,139.22 138.58,139.22 138.58,139.29 136.52,141.36 U1.12 ; v1(125.38,81.21) 126.6,81.54 U52.12 ; v1(147.37,92.55) v1(125.4,92.55) 125.15,92.3 124.06,92.3 123.67,92.68 92.59,92.68 92.35,92.45 v1(91.16,92.45) ; v1(80.14,123.01) v1(86.08,123.01) ; v1(86.26,129.39) 86.97,130.1 v1(96.11,130.1)
  Bottom w0.2: v1(80.14,123.01) 80.11,122.98 v1(80.11,121.25) ; v1(90.98,99.71) 90.98,92.62 v1(91.16,92.45) 91.16,88.16 v1(91.19,88.14) ; v1(146.38,139.09) 147.35,138.13 147.35,108.52 v1(148.52,107.35) 147.37,106.2 v1(147.37,92.55) ; v1(86.77,99.85) 86.08,100.53 v1(86.08,123.01) 86.08,126.72 86.26,126.9 v1(86.26,129.39) ; v1(125.4,92.55) 125.38,92.53 v1(125.38,81.21) ; v1(109.73,146.94) 109.75,146.91 109.75,143.56 109.73,143.56 96.27,130.1 v1(96.11,130.1)
/D1: length 216.1
  Top w0.2: v1(83.26,132.77) 83.52,133.02 v1(95.81,133.02) ; U54.11 81.93,118.34 v1(83.15,118.02) 83.29,118.16 v1(87.4,118.16) ; U55.11 101.62,144.38 101.94,143.16 104.6,140.51 v1(104.6,140.46) ; U51.11 v1(144.02,110.49) U2.4 ; v1(133.1,139.45) 133.99,140.34 U1.11 ; v1(144.08,93.2) 143.61,93.2 143.15,93.65 126.8,93.65 v1(126.7,93.55) 126.57,93.68 95.75,93.68 v1(95.55,93.87) ; U52.11 126.98,84.24 v1(126.66,85.46) ; v1(95.53,100.36) 88.29,100.36 v1(87.38,101.27) ; v1(96.67,88.53) 95.35,88.53 U53.11 ; v1(144.07,135.48) v1(133.25,135.48)
  Bottom w0.2: v1(83.15,118.02) 83.15,129.86 83.26,129.97 v1(83.26,132.77) ; v1(104.6,140.46) 103.6,140.46 102.31,139.18 101.99,139.18 95.83,133.02 v1(95.81,133.02) ; v1(133.25,135.48) 133.25,139.29 v1(133.1,139.45) ; v1(144.08,93.2) 144.02,93.26 v1(144.02,110.49) 144.02,135.43 v1(144.07,135.48) ; v1(87.38,101.27) 87.38,118.14 v1(87.4,118.16) ; v1(126.66,85.46) 126.7,85.5 v1(126.7,93.55) ; v1(95.53,100.36) 95.55,100.33 v1(95.55,93.87) 95.5,93.82 95.5,90.17 96.67,89.01 v1(96.67,88.53)
/D2: length 252
  Top w0.2: v1(124.59,80.47) 127.09,80.47 U52.13 ; v1(149.83,107.49) 149.83,108.93 U51.13 ; v1(141.48,137.38) 133.28,137.38 131.55,139.1 v1(122.15,139.1) ; v1(78.97,123.7) 79.02,123.65 v1(85.47,123.65) ; U53.13 91.21,86.84 90.47,86.84 v1(89.87,87.45) ; v1(96.14,131.11) 95.52,130.5 86.8,130.5 86.76,130.45 v1(85.5,130.45) ; v1(121.89,149.05) 121.82,149.12 v1(109.75,149.12) 102.47,149.12 U55.13 ; U2.5 141.86,111.76 v1(141.88,111.73) ; U1.13 137.34,141.81 138.43,141.81 139.9,140.34 v1(141.61,140.34) ; v1(86.21,92.38) 86.27,92.45 v1(89.92,92.45) 90.69,93.22 124.16,93.22 v1(124.43,92.95) ; v1(78.74,121.06) U54.13 ; v1(141.96,105.28) v1(149.86,105.28)
  Bottom w0.2: v1(85.5,130.45) 85.47,130.43 v1(85.47,123.65) 85.47,116.08 85.56,115.99 85.56,115.13 85.47,115.04 85.47,99.72 86.21,98.98 v1(86.21,92.38) ; v1(121.89,149.05) 122.15,148.79 v1(122.15,139.1) ; v1(78.74,121.06) 78.97,121.29 v1(78.97,123.7) ; v1(141.96,105.28) 141.88,105.36 v1(141.88,111.73) 141.88,130.25 141.48,130.66 141.48,140.21 v1(141.61,140.34) ; v1(89.87,87.45) 89.87,92.39 v1(89.92,92.45) ; v1(149.83,107.49) 149.86,107.47 v1(149.86,105.28) ; v1(96.14,131.11) 96.19,131.11 108.92,143.84 108.92,148.29 v1(109.75,149.12) ; v1(124.59,80.47) 124.59,92.79 v1(124.43,92.95)
/D3: length 256.1
  Top w0.2: U55.14 101.45,149.83 110.26,149.83 v1(110.34,149.91) ; v1(142.49,107.14) 146.66,107.14 147.55,106.25 150.14,106.25 151.16,107.26 U51.14 ; v1(123.8,94.33) 123.66,94.18 96.16,94.18 95.82,94.52 95.29,94.52 94.95,94.18 90.25,94.18 v1(89.23,93.17) ; v1(125.93,131.17) 126.01,131.09 v1(139.27,131.09) 139.29,131.11 142.16,131.11 v1(142.17,131.12) ; U1.14 138.97,141.91 v1(139.24,141.91) ; v1(87.15,128.98) 87.55,128.98 87.67,129.1 89.19,129.1 89.31,128.98 96.37,128.98 v1(97.38,130) ; v1(110.44,137.12) 125.87,137.12 v1(125.95,137.2) ; U53.14 90.08,86.23 89.61,86.23 88.67,87.17 v1(88.44,87.17) ; v1(77.5,121.01) 77.5,119.65 U54.14 ; v1(77.88,124.66) 77.9,124.69 v1(87.02,124.69) ; v1(142.49,112.83) 142.29,113.03 U2.6 ; v1(123.85,79.71) 123.89,79.74 U52.14
  Bottom w0.2: v1(77.5,121.01) 77.88,121.39 v1(77.88,124.66) ; v1(139.24,141.91) 139.27,141.88 v1(139.27,131.09) ; 107.71,140.35 97.36,130 ; 107.71,140.35 107.71,140.04 110.44,137.31 v1(110.44,137.12) ; 107.71,140.35 110.34,142.98 110.34,148.79 110.4,148.85 110.4,149.39 110.34,149.46 v1(110.34,149.91) ; v1(142.49,107.14) v1(142.49,112.83) 142.32,113 142.32,130.97 v1(142.17,131.12) ; v1(125.93,131.17) 125.93,137.18 v1(125.95,137.2) ; v1(88.44,87.17) 88.44,92.38 v1(89.23,93.17) 89.23,95.34 88.37,96.2 88.37,99.28 86.61,101.04 86.61,122.48 87.02,122.89 v1(87.02,124.69) 87.02,128.85 v1(87.15,128.98) ; v1(123.85,79.71) 123.85,92.11 123.69,92.27 123.69,92.97 123.85,93.13 123.85,94.27 v1(123.8,94.33)
/D4: length 202.4
  Top w0.2: v1(97.49,97.49) 97.46,97.46 94.64,97.46 94.56,97.54 v1(85.47,97.54) ; v1(132,137.67) 131.34,138.33 130.65,138.33 v1(130.57,138.25) 130.49,138.33 104.09,138.33 103.24,139.18 v1(103.24,139.21) 103.24,139.94 100.77,142.41 100.77,142.66 100.48,143.77 U55.10 ; v1(132.08,140.21) 132.89,141.02 U1.10 ; U52.10 128.12,84.86 127.83,85.96 124.73,89.05 98.11,89.05 96.88,87.82 95.94,87.82 95.71,87.58 U53.10 ; v1(142.82,131.75) 142.79,131.78 132.23,131.78 132.18,131.72 132.03,131.88 v1(130.57,131.88) ; U54.10 81.89,117.05 84.8,117.05 v1(84.82,117.07) ; v1(95.81,132.05) 95.76,132 v1(85.47,132) ; U51.10 143.39,111.76 v1(143.37,111.79) ; U2.7 143.26,114.3 v1(143.28,114.33)
  Bottom w0.2: v1(95.81,132.05) 95.91,132.16 96.04,132.16 103.09,139.21 v1(103.24,139.21) ; v1(85.47,97.54) 84.94,98.07 84.94,115.07 85.16,115.29 85.16,115.83 84.94,116.05 84.94,116.95 v1(84.82,117.07) 84.82,131.35 v1(85.47,132) ; v1(97.49,97.49) 97.49,89.66 v1(98.12,89.03) ; 132.18,140.11 v1(132.08,140.21) 132,140.13 v1(132,137.67) ; v1(142.82,131.75) 142.82,130.64 142.72,130.54 142.72,115.33 143.37,114.68 v1(143.37,111.79) ; v1(130.57,138.25) 130.32,138 130.32,132.13 v1(130.57,131.88)
/D5: length 213.9
  Top w0.2: v1(105.71,142.82) 127.43,142.82 v1(127.64,142.62) 128.49,143.48 U1.6 ; v1(83.42,111.65) 83.32,111.76 U54.6 ; v1(95.28,135.86) 94.64,135.23 v1(82.02,135.23) ; U53.6 100.11,85.12 v1(100.97,85.98) ; v1(144.82,134.09) 144.38,134.53 142.93,134.53 142.36,133.96 v1(127.64,133.96) ; v1(84.11,89.98) 85.26,91.14 v1(102.9,91.14) 128.64,91.14 128.9,90.87 129.87,90.87 132.14,88.6 132.45,87.44 U52.6 ; U2.8 142.24,115.57 143.51,116.84 145.44,116.84 v1(145.5,116.9) 146.67,116.59 U51.6 ; U55.6 96.15,141.19 96.46,140.02 97.18,139.3 v1(97.18,137.74)
  Bottom w0.2: v1(144.82,134.09) 144.74,134.02 144.74,117.51 145.36,116.9 v1(145.5,116.9) ; v1(100.97,85.98) 102.9,87.91 v1(102.9,91.14) ; v1(82.02,135.23) 82.02,112.95 82.5,112.47 82.61,112.47 v1(83.42,111.65) 83.67,111.4 83.67,95.74 83.95,95.47 83.95,90.15 v1(84.11,89.98) ; v1(127.64,133.96) v1(127.64,142.62) ; v1(95.28,135.86) 97.16,137.74 v1(97.18,137.74) 98.12,137.74 100.87,140.49 100.87,140.5 101.1,140.74 101.11,140.74 103.2,142.82 v1(105.71,142.82)
/D6: length 218.6
  Top w0.2: U52.5 133.48,88.11 133.15,89.34 131.22,91.27 129.12,91.27 128.49,91.9 104.55,91.9 v1(104.42,91.77) 84.68,91.77 v1(83.26,90.35) ; U53.5 101.21,84.57 v1(102.11,85.47) ; U55.5 95.12,140.51 v1(95.45,139.29) 95.45,137.41 94.08,136.04 v1(81.31,136.04) ; v1(126.54,133.35) 126.62,133.27 142.24,133.27 143.1,134.13 143.9,134.13 144.76,133.27 v1(145.36,133.27) ; v1(83.03,110.43) 82.67,110.78 82.03,110.78 U54.5 ; U51.5 146.59,117.82 v1(145.37,118.14) 142.91,118.14 141.61,116.84 U2.9 ; v1(104.72,144.2) 125.43,144.2 126.15,143.47 v1(126.68,143.47) 126.68,143.91 U1.5
  Bottom w0.2: v1(81.31,136.04) 81.2,135.94 81.2,110.79 81.57,110.43 v1(83.03,110.43) 83.26,110.2 v1(83.26,90.35) 83.26,90.35 ; v1(145.36,133.27) 145.37,133.27 v1(145.37,118.14) ; v1(102.11,85.47) 104.8,88.16 104.8,91.39 v1(104.42,91.77) ; v1(104.72,144.2) 103.98,144.2 99.07,139.29 v1(95.45,139.29) ; v1(126.54,133.35) 126.54,137 126.68,137.14 126.68,137.68 126.54,137.83 126.54,143.34 v1(126.68,143.47)
